# KiCad board cryboard.kicad_pcb (continued)
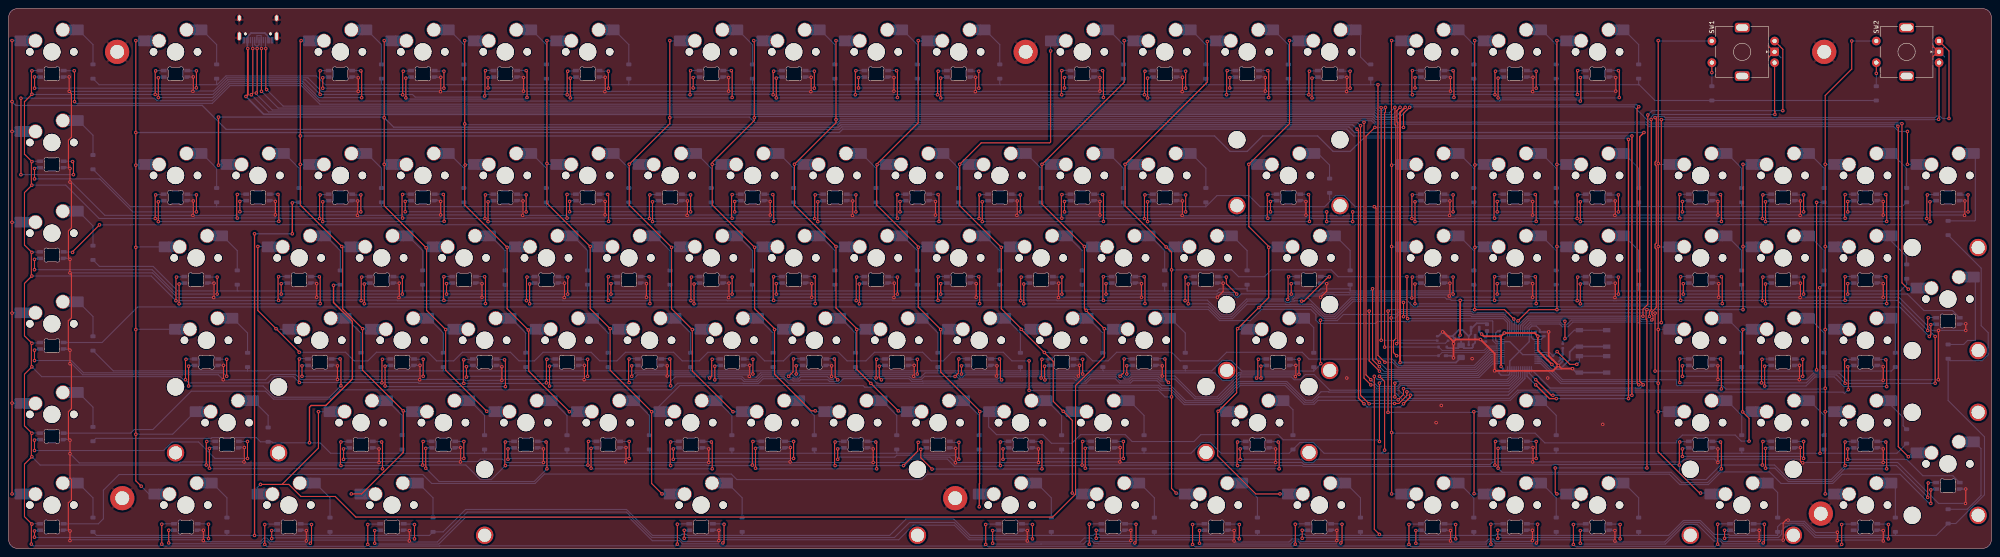
[diagram p0: board, top side]
## Routing (per net, layer and track width the routed paths; a pad name or vN(x,y) marks a point on that pad's centre or on a via; arc(x,y) is an arc through that point) (continued)
VBUS: length 363
  Top w0.4: 55.27,115.18 55.27,104.9 v1(54.83,104.47) ; v1(322.72,101.96) 321.53,100.77 v1(321.53,42.95)
  Bottom w0.4: F1.1 334.45,42.95 v1(321.53,42.95) ; v1(322.72,101.96) 320.47,99.7 316.11,99.7 315.45,100.36 58.94,100.36 v1(54.83,104.47) ; 60.06,118.28 59.2,119.13 56.02,119.13 55.16,118.28 ; 55.16,117.49 55.16,115.83
  vias: v1(55.27,115.56)
VCC: length 3376.8
  Top w0.25: 171.86,24.59 v1(171.86,19.26) ; 243.26,110.31 243.26,105.11 ; 405.06,43.59 v1(405.06,38.26) ; 405.26,24.59 v1(405.26,19.26) ; 200.46,43.59 v1(200.46,39.41) ; 45.66,24.59 v1(45.66,19.26) ; 119.66,62.59 v1(119.66,57.26) ; v1(225.79,5.51) v1(225.79,0.91) ; 324.26,62.59 v1(324.26,57.89) ; 424.26,62.66 424.26,57.46 ; 295.66,62.66 295.66,57.46 ; v1(82.99,5.51) v1(82.99,0.91) ; 281.46,110.31 281.46,105.11 ; v1(423.59,5.51) v1(423.59,0.91) ; v1(206.79,19.14) 206.79,19.19 210.06,22.46 210.06,24.39 ; v1(5.37,26.62) 3.66,28.33 3.66,40.25 v1(5.37,41.97) ; 238.66,43.59 238.66,39.47 v1(238.59,39.4) ; 148.06,81.59 v1(148.06,76.26) ; 110.06,81.59 v1(110.06,76.26) ; v1(33.99,110.39) 33.86,110.26 v1(33.86,104.94) ; 262.46,81.59 v1(262.46,76.26) ; 105.06,43.46 105.06,38.26 ; 91.06,110.19 v1(91.06,104.86) ; 128.91,81.69 128.91,76.49 ; 5.25,47.29 5.25,42.09 ; v1(218.71,39.74) 219.46,40.5 219.46,43.66 ; 100.46,62.66 100.46,57.46 ; 386.06,43.66 386.06,38.46 ; 343.26,81.66 343.26,76.46 ; 248.06,24.59 v1(248.06,19.26) ; 190.86,24.46 190.86,19.26 ; 143.26,43.66 143.26,38.46 ; 86.26,43.59 v1(86.26,38.26) ; 62.26,62.66 62.26,57.46 ; 76.66,24.46 76.66,19.26 ; 229.06,24.46 229.06,19.26 ; 405.26,81.59 v1(405.26,76.26) ; 110.06,110.31 110.06,104.65 v1(110,104.59) ; 38.66,62.59 v1(38.66,57.26) ; v1(35.39,5.59) v1(35.39,0.99) ; 386.06,24.46 v1(386.06,19.26) ; v1(443.46,50.39) 443.46,53.19 v1(443.59,53.31) ; 386.06,81.66 386.06,76.46 ; 81.46,62.59 v1(81.46,57.26) ; 157.46,110.31 157.46,105.11 ; 5.25,68.29 5.25,63.09 ; 40.86,43.59 v1(40.86,38.98) ; 5.25,26.49 5.25,21.29 ; v1(5.37,21.17) 3.66,19.45 3.66,7.33 v1(5.37,5.62) 5.25,5.49 v1(5.25,0.99) ; v1(297.32,5.57) v1(297.32,0.97) ; v1(5.37,89.42) 3.66,91.13 3.66,103.26 v1(5.39,104.99) 5.26,105.11 5.26,110.26 v1(5.39,110.39) ; 424.26,43.46 424.26,38.26 ; 424.26,81.66 424.26,76.46 ; 186.26,81.59 v1(186.26,76.26) ; v1(323.59,5.51) v1(323.59,0.91) ; v1(161.99,39.4) 162.46,39.87 162.46,43.59 ; v1(273.59,5.51) v1(273.59,0.91) ; 224.26,81.59 v1(224.26,76.26) ; 167.06,81.66 167.06,76.46 ; 443.46,14.99 v1(443.46,11.79) ; 362.46,110.31 362.46,105.11 ; 283.86,24.46 283.86,19.26 ; 129.06,110.19 v1(129.06,104.86) ; 257.66,43.66 257.66,40.6 v1(256.84,39.78) ; 362.46,62.59 v1(362.46,57.26) ; 343.46,24.59 v1(343.46,19.26) ; 52.71,81.69 52.71,76.49 ; 362.46,81.59 v1(362.46,76.26) ; 300.46,110.19 v1(300.46,104.86) ; 176.66,62.66 176.66,57.46 ; v1(5.37,62.97) 3.66,61.25 3.66,49.13 v1(5.37,47.42) ; v1(288.39,39.36) 288.66,39.64 288.66,43.59 ; 157.66,62.59 v1(157.66,57.26) ; 214.66,110.19 v1(214.66,104.86) ; 95.66,24.59 v1(95.66,19.26) ; 324.26,81.59 v1(324.26,76.26) ; v1(445.19,48.99) v1(445.19,38.19) ; 343.46,110.19 v1(343.46,104.86) ; v1(394.92,5.57) v1(394.92,0.97) ; 324.26,110.31 324.26,105.11 ; v1(342.52,5.57) v1(342.52,0.97) ; v1(154.52,5.57) v1(154.52,0.97) ; 5.25,89.29 5.25,84.09 ; 176.66,110.19 v1(176.66,104.86) ; v1(71.99,104.94) 71.86,105.06 71.86,110.26 v1(71.99,110.39) ; 290.86,81.66 290.86,76.46 ; 195.66,110.31 195.66,105.11 ; 443.26,81.59 v1(443.26,76.26) ; 271.86,62.59 v1(271.86,57.26) ; v1(5.37,68.42) 3.66,70.13 3.66,82.25 v1(5.37,83.97) ; 424.26,24.46 424.26,19.26 ; 243.26,81.66 243.26,76.46 ; 133.86,24.59 v1(133.86,19.26) ; v1(59.19,5.51) v1(59.19,0.91) ; 262.46,110.19 v1(262.46,104.86) ; 195.86,62.59 v1(195.86,57.26) ; 405.26,62.59 v1(405.26,57.26) ; 138.46,62.66 138.46,57.46 ; 90.91,81.69 90.91,76.49 ; v1(361.59,5.51) v1(361.59,0.91) ; 67.06,43.66 67.06,38.46 ; 114.66,24.46 114.66,19.26 ; 205.26,81.66 205.26,76.46 ; 214.66,62.66 214.66,57.46 ; 71.86,81.59 v1(71.86,76.26) ; v1(249.72,5.57) v1(249.72,0.97) ; 152.86,24.46 152.86,19.26 ; 181.26,43.66 181.26,40.79 v1(180.25,39.78) ; 33.86,81.59 v1(33.86,76.26) ; 233.86,62.59 v1(233.86,57.26) ; 124.26,43.59 v1(124.26,38.26) ; 252.86,62.66 252.86,57.46 ; 386.26,62.66 386.26,57.46 ; 343.26,62.66 343.26,57.46
  Top w0.4: v1(335.42,49.3) v1(335.42,57.34)
  Bottom w0.25: 164.44,43.78 162.66,43.78 ; 264.44,81.78 262.66,81.78 ; 173.84,24.78 172.06,24.78 ; 202.44,43.78 200.66,43.78 ; 361.68,5.61 364.42,5.61 ; 93.04,110.38 91.26,110.38 ; 154.62,5.67 157.35,5.67 ; 292.94,81.86 291.06,81.86 ; 273.84,62.78 272.06,62.78 ; 35.84,81.78 34.06,81.78 ; 197.74,110.51 195.86,110.51 ; 221.54,43.86 219.66,43.86 ; 326.34,110.51 324.46,110.51 ; 426.34,62.86 424.46,62.86 ; 245.34,81.86 243.46,81.86 ; LED3.1 72.06,110.46 v1(71.99,110.39) ; 407.24,24.78 405.46,24.78 ; 250.04,24.78 248.26,24.78 ; 445.44,15.18 443.66,15.18 ; LED2.1 34.06,110.46 v1(33.99,110.39) ; 285.94,24.66 284.06,24.66 ; 116.74,24.66 114.86,24.66 ; 407.24,81.78 405.46,81.78 ; 73.84,81.78 72.06,81.78 ; 112.04,81.78 110.26,81.78 ; 240.64,43.78 238.86,43.78 ; v1(443.46,11.79) 443.46,11.91 436.24,19.14 v1(424.39,19.14) 421.15,15.9 411.44,15.9 408.07,19.26 v1(405.26,19.26) 395.64,19.26 392.27,15.9 387.62,15.9 386.06,17.46 v1(386.06,19.26) 385.94,19.39 357.16,19.39 357.04,19.26 v1(343.46,19.26) 343.13,18.93 299.16,18.93 298.96,19.14 v1(283.99,19.14) 283.86,19.26 v1(248.06,19.26) 247.94,19.14 v1(229.19,19.14) 229.04,18.99 218.56,18.99 216.91,20.63 208.63,20.63 207.14,19.14 v1(206.79,19.14) v1(190.99,19.14) 190.86,19.26 v1(171.86,19.26) 171.74,19.14 161.44,19.14 161.31,19.26 134.29,19.26 134.16,19.14 v1(114.79,19.14) 111.55,15.9 109.02,15.9 105.65,19.26 v1(95.66,19.26) 95.54,19.14 v1(76.79,19.14) 76.66,19.26 v1(45.66,19.26) 7.28,19.26 v1(5.37,21.17) ; 169.14,81.86 167.26,81.86 ; 216.74,62.86 214.86,62.86 ; 92.99,81.89 91.11,81.89 ; 364.44,81.78 362.66,81.78 ; 426.34,81.86 424.46,81.86 ; 7.32,5.69 5.44,5.69 ; v1(35.39,5.59) 35.48,5.68 LED98.1 ; v1(288.39,39.36) 288.11,39.64 284.64,39.64 279.58,34.58 274.11,34.58 269.56,39.12 266.29,39.12 265.74,39.67 259.41,39.67 258.87,39.13 257.9,39.13 257.26,39.78 v1(256.84,39.78) 256.5,40.12 249.66,40.12 248.66,39.12 246.9,39.12 246.35,39.67 238.98,39.67 238.71,39.4 v1(238.59,39.4) 238.46,39.4 238.19,39.67 229.12,39.67 228.57,39.12 219.71,39.12 219.06,39.78 211.64,39.78 210.92,39.06 208.84,39.06 208.21,39.68 190.89,39.68 190.89,39.48 190.47,39.05 189.87,39.05 189.23,39.68 183.02,39.68 182.47,39.13 181.5,39.13 181.2,39.43 180.59,39.43 179.9,40.12 173.98,40.12 172.84,38.98 170.16,38.98 169.48,39.67 162.39,39.67 162.11,39.4 v1(161.99,39.4) 161.87,39.4 161.59,39.67 154.04,39.67 152.64,38.26 124.69,38.26 124.56,38.14 94.81,38.14 94.61,38.34 v1(67.19,38.34) 65.84,39.68 61.39,39.68 59.97,38.26 41.58,38.26 v1(40.86,38.98) 40.39,38.98 39.69,39.68 7.65,39.68 v1(5.37,41.97) ; 342.62,5.67 345.35,5.67 ; 7.32,89.49 5.44,89.49 ; 83.44,62.78 81.66,62.78 ; v1(5.39,104.99) 5.44,104.94 47.21,104.94 50.6,108.33 68.59,108.33 v1(71.99,104.94) 93.33,104.94 93.95,104.31 109.72,104.31 v1(110,104.59) 110.37,104.96 128.96,104.96 v1(129.06,104.86) v1(157.46,104.86) ; v1(386.19,38.34) 386.26,38.26 415.43,38.26 417.25,40.09 422.44,40.09 v1(424.39,38.14) 445.14,38.14 v1(445.19,38.19) ; 7.32,68.49 5.44,68.49 ; 326.24,62.78 324.46,62.78 ; 47.64,24.78 45.86,24.78 ; 102.54,62.86 100.66,62.86 ; 407.24,62.78 405.46,62.78 ; 345.34,81.86 343.46,81.86 ; 154.94,24.66 153.06,24.66 ; 395.02,5.67 397.75,5.67 ; 59.28,5.61 62.02,5.61 ; 150.04,81.78 148.26,81.78 ; 183.34,43.86 181.46,43.86 ; 83.08,5.61 85.82,5.61 ; 192.94,24.66 191.06,24.66 ; 97.64,24.78 95.86,24.78 ; v1(5.37,62.97) 32.96,62.97 v1(38.66,57.26) 71.41,57.26 71.54,57.39 89.76,57.39 89.89,57.26 109.61,57.26 109.74,57.39 127.96,57.39 128.09,57.26 147.61,57.26 147.74,57.39 165.96,57.39 166.09,57.26 185.81,57.26 185.94,57.39 204.16,57.39 204.29,57.26 223.81,57.26 223.94,57.39 242.16,57.39 242.29,57.26 262.01,57.26 262.14,57.39 276.99,57.39 280.37,54 282.43,54 286.07,57.64 295.49,57.64 v1(295.57,57.55) 295.64,57.61 296.87,57.61 297.15,57.89 300.29,57.89 304.17,54 306.24,54 310.28,58.03 331.91,58.03 332.34,57.61 333.09,57.61 333.36,57.34 v1(335.42,57.34) 370.81,57.34 370.89,57.26 371.49,57.26 371.56,57.34 413.61,57.34 413.69,57.26 424.31,57.26 v1(424.39,57.34) 436.51,57.34 v1(443.46,50.39) 443.81,50.39 v1(445.19,48.99) ; 88.24,43.78 86.46,43.78 ; 140.54,62.86 138.66,62.86 ; 231.14,24.66 229.26,24.66 ; 283.54,110.51 281.66,110.51 ; 40.64,62.78 38.86,62.78 ; 323.68,5.61 326.42,5.61 ; 426.34,43.66 424.46,43.66 ; 345.44,110.38 343.66,110.38 ; 297.74,62.86 295.86,62.86 ; 407.04,43.78 405.26,43.78 ; LED1.1 5.46,110.46 v1(5.39,110.39) ; 445.24,81.78 443.46,81.78 ; 388.14,81.86 386.26,81.86 ; 245.34,110.51 243.46,110.51 ; 178.64,110.38 176.86,110.38 ; 69.14,43.86 67.26,43.86 ; 388.14,43.86 386.26,43.86 ; 135.84,24.78 134.06,24.78 ; 364.44,62.78 362.66,62.78 ; 225.88,5.61 228.62,5.61 ; 226.24,81.78 224.46,81.78 ; 259.74,43.86 257.86,43.86 ; 345.34,62.86 343.46,62.86 ; 426.34,24.66 424.46,24.66 ; 235.84,62.78 234.06,62.78 ; 445.44,53.38 443.66,53.38 ; 302.44,110.38 300.66,110.38 ; 423.68,5.61 426.42,5.61 ; v1(5.25,0.99) 5.65,0.59 34.99,0.59 v1(35.39,0.99) 35.84,0.54 58.81,0.54 v1(59.19,0.91) 59.64,0.46 82.54,0.46 v1(82.99,0.91) 83.44,0.46 84.89,0.46 84.96,0.54 99.57,0.54 99.62,0.59 154.13,0.59 v1(154.52,0.97) 154.97,0.52 225.4,0.52 v1(225.79,0.91) 226.24,0.46 249.21,0.46 v1(249.72,0.97) 250.17,0.52 273.2,0.52 v1(273.59,0.91) 274.04,0.46 275.49,0.46 275.56,0.54 296.88,0.54 v1(297.32,0.97) 297.77,0.52 323.2,0.52 v1(323.59,0.91) 324.04,0.46 342.01,0.46 v1(342.52,0.97) 342.97,0.52 361.2,0.52 v1(361.59,0.91) 362.04,0.46 394.41,0.46 v1(394.92,0.97) 395.37,0.52 423.2,0.52 v1(423.59,0.91) ; 54.79,81.89 52.91,81.89 ; 345.44,24.78 343.66,24.78 ; 254.94,62.86 253.06,62.86 ; 126.24,43.78 124.46,43.78 ; 249.82,5.67 252.55,5.67 ; 388.34,62.86 386.46,62.86 ; 159.64,62.78 157.86,62.78 ; 212.04,24.58 210.26,24.58 ; 145.34,43.86 143.46,43.86 ; 364.54,110.51 362.66,110.51 ; 64.34,62.86 62.46,62.86 ; 297.42,5.67 300.15,5.67 ; 121.64,62.78 119.86,62.78 ; 130.99,81.89 129.11,81.89 ; 7.32,26.69 5.44,26.69 ; 273.68,5.61 276.42,5.61 ; 388.14,24.66 386.26,24.66 ; 216.64,110.38 214.86,110.38 ; 178.74,62.86 176.86,62.86 ; 197.84,62.78 196.06,62.78 ; 78.74,24.66 76.86,24.66 ; 264.44,110.38 262.66,110.38 ; 112.14,110.51 110.26,110.51 ; 290.64,43.78 288.86,43.78 ; 159.54,110.51 157.66,110.51 ; v1(362.54,104.94) 362.46,104.86 v1(343.46,104.86) 343.36,104.96 324.48,104.96 v1(324.39,104.86) 324.38,104.86 v1(300.46,104.86) 300.36,104.96 281.55,104.96 v1(281.45,104.86) 281.45,104.86 v1(262.46,104.86) 262.36,104.96 243.45,104.96 v1(243.35,104.86) 243.35,104.86 v1(214.66,104.86) 214.56,104.96 195.76,104.96 v1(195.66,104.86) v1(176.66,104.86) 176.54,104.99 157.59,104.99 ; v1(443.26,76.26) 443.21,76.31 414.34,76.31 414.29,76.26 396.11,76.26 396.04,76.34 371.64,76.34 371.56,76.26 353.31,76.26 353.24,76.34 334.26,76.34 334.19,76.26 301.18,76.26 301.1,76.34 271.56,76.34 271.49,76.26 253.51,76.26 253.44,76.34 233.44,76.34 233.36,76.26 215.51,76.26 215.44,76.34 195.36,76.34 195.29,76.26 177.11,76.26 177.04,76.34 157.16,76.34 157.09,76.26 139.11,76.26 139.01,76.37 119.56,76.37 119.45,76.26 101.06,76.26 100.96,76.37 80.97,76.37 80.86,76.26 62.86,76.26 62.76,76.37 42.97,76.37 42.86,76.26 v1(33.86,76.26) 20.9,76.26 13.2,83.97 v1(5.37,83.97) ; 326.24,81.78 324.46,81.78 ; 131.04,110.38 129.26,110.38 ; 107.14,43.66 105.26,43.66 ; 42.84,43.78 41.06,43.78 ; 207.34,81.86 205.46,81.86 ; 7.32,47.49 5.44,47.49 ; 188.24,81.78 186.46,81.78
  Bottom w0.4: U2.4 332.58,46.29 334.98,46.29 F1.2 ; U3.3 338.88,47.56 C9.1 338.36,46.52 338.13,46.29 336.28,46.29 F1.2 ; F1.2 335.63,48.02 C8.1 335.11,48.99 v1(335.42,49.3)
  vias: v1(33.99,81.71) v1(38.79,62.71) v1(40.99,43.71) v1(45.79,24.71) v1(52.84,81.82) v1(52.84,76.37) v1(62.39,62.79) v1(62.39,57.34) v1(67.19,43.79) v1(71.99,81.71) v1(76.79,24.59) v1(81.59,62.71) v1(86.39,43.71) v1(91.04,81.82) v1(91.04,76.37) v1(91.19,110.31) v1(95.79,24.71) v1(100.59,62.79) v1(100.59,57.34) v1(105.19,43.59) v1(105.19,38.14) v1(110.19,110.44) v1(110.19,81.71) v1(114.79,24.59) v1(119.79,62.71) v1(124.39,43.71) v1(129.04,81.82) v1(129.04,76.37) v1(129.19,110.31) v1(133.99,24.71) v1(138.59,62.79) v1(138.59,57.34) v1(143.39,43.79) v1(143.39,38.34) v1(148.19,81.71) v1(152.99,24.59) v1(152.99,19.14) v1(157.59,110.44) v1(157.79,62.71) v1(162.59,43.71) v1(167.19,81.79) v1(167.19,76.34) v1(171.99,24.71) v1(176.79,110.31) v1(176.79,62.79) v1(176.79,57.34) v1(181.39,43.79) v1(186.39,81.71) v1(190.99,24.59) v1(195.79,110.44) v1(195.99,62.71) v1(200.59,43.71) v1(205.39,81.79) v1(205.39,76.34) v1(210.19,24.51) v1(214.79,110.31) v1(214.79,62.79) v1(214.79,57.34) v1(219.59,43.79) v1(224.39,81.71) v1(229.19,24.59) v1(233.99,62.71) v1(238.79,43.71) v1(243.39,110.44) v1(243.39,81.79) v1(243.39,76.34) v1(248.19,24.71) v1(252.99,62.79) v1(252.99,57.34) v1(257.79,43.79) v1(262.59,110.31) v1(262.59,81.71) v1(271.99,62.71) v1(281.59,110.44) v1(283.99,24.59) v1(288.79,43.71) v1(290.99,81.79) v1(290.99,76.34) v1(295.79,62.79) v1(300.59,110.31) v1(324.39,110.44) v1(324.39,81.71) v1(324.39,62.71) v1(343.39,81.79) v1(343.39,76.34) v1(343.39,62.79) v1(343.39,57.34) v1(343.59,110.31) v1(343.59,24.71) v1(362.59,110.44) v1(362.59,81.71) v1(362.59,62.71) v1(386.19,81.79) v1(386.19,76.34) v1(386.19,43.79) v1(386.19,24.59) v1(386.39,62.79) v1(386.39,57.34) v1(405.19,43.71) v1(405.39,81.71) v1(405.39,62.71) v1(405.39,24.71) v1(424.39,81.79) v1(424.39,76.34) v1(424.39,62.79) v1(424.39,43.59) v1(424.39,24.59) v1(443.39,81.71) v1(443.59,15.11)
BOOT0: length 28
  Top w0.25: v1(359.63,48.51) v1(359.63,52.49)
  Bottom w0.25: BOOT1.2 BOOT1.2 361.78,50.44 359.85,48.51 v1(359.63,48.51) 359.63,48.29 359.13,47.79 R3.1 ; v1(359.63,52.49) 359.36,52.77 351.27,52.77 349.88,51.38 U1.44
COL00: length 583.5
  Top w0.25: v1(0.79,117.39) v1(0.79,96.39) v1(0.79,75.39) v1(0.79,54.39) v1(0.79,33.59) v1(0.79,12.59)
  Top w0.3: v1(377.89,96.13) 376.91,95.15 376.91,38.66 377.7,37.87 v1(377.7,37.81)
  Bottom w0.25: v1(0.79,117.39) 0.85,117.33 MX1.1 ; MX97.1 0.82,12.55 v1(0.79,12.59) ; MX79.1 0.87,33.51 v1(0.79,33.59) ; MX40.1 0.82,75.42 v1(0.79,75.39) ; MX18.1 0.8,96.37 v1(0.79,96.39) ; v1(0.79,54.39) 0.86,54.46 MX62.1
  Bottom w0.3: U1.13 356.2,37.06 377.01,37.06 377.7,37.75 v1(377.7,37.81) ; v1(377.89,96.13) 311.02,96.13 309.72,97.43 192.55,97.43 191.98,96.87 50.26,96.87 44.72,102.4 1.66,102.4 v1(0.79,103.28)
COL01: length 575.8
  Top w0.25: v1(29.39,117.39) v1(29.39,88.59) v1(29.39,69.59) v1(29.39,50.59) 29.39,15.61 v1(30.62,14.38)
  Top w0.3: v1(356.85,35.39) 356.48,35.39 v1(352.89,38.98) ; v1(375.11,35.39) v1(375.11,95.34)
  Bottom w0.25: MX98.1 32.45,12.55 v1(30.62,14.38) ; v1(29.39,69.59) 29.5,69.7 MX41.1 ; MX2.1 29.45,117.33 v1(29.39,117.39) ; v1(29.39,26.39) 37.89,26.39 MX80.1 ; v1(29.39,88.59) 29.55,88.75 31.2,88.75 ; MX63.1 29.45,50.65 v1(29.39,50.59)
  Bottom w0.3: U1.14 351.38,40.49 v1(352.89,38.98) ; v1(356.85,35.39) v1(375.11,35.39) ; v1(375.11,95.34) 310.82,95.34 309.23,96.93 192.75,96.93 191.96,96.13 v1(29.39,96.13)
COL02: length 532.2
  Top w0.25: v1(79.19,12.59) 81.59,12.59 86.66,17.66 86.69,17.66 91.19,22.16 v1(91.19,31.79) 81.79,41.19 v1(81.79,50.79) 77.19,55.39 77.19,69.59 v1(76.99,69.79) 67.39,79.39 v1(67.39,88.79) 67.39,117.19 v1(67.59,117.39)
  Top w0.3: v1(352.89,37.79) 356.06,34.62 v1(357.65,34.62) ; v1(374.32,94.55) v1(374.32,34.62)
  Bottom w0.25: v1(67.59,117.39) 67.65,117.33 MX3.1 ; 69.3,88.75 67.42,88.75 v1(67.39,88.79) ; MX82.1 91.37,31.6 v1(91.19,31.79) ; v1(79.19,12.59) 81.17,12.59 ; v1(81.79,50.79) 83.45,50.79 ; v1(76.99,69.79) 77.07,69.7 MX43.1
  Bottom w0.3: v1(374.32,34.62) v1(357.65,34.62) ; v1(374.32,94.55) 374.02,94.84 313.1,94.84 310.02,91.77 306.05,91.77 302.48,95.34 289.78,95.34 286.21,91.77 282.24,91.77 278.67,95.34 v1(67.39,95.34) ; U1.15 350.88,39.8 v1(352.89,37.79)
COL03: length 488
  Top w0.25: v1(110.49,31.69) 100.99,41.19 v1(100.99,50.59) 96.59,54.99 96.59,69.39 v1(96.49,69.49) 86.79,79.19 v1(86.79,88.79) v1(86.79,117.39)
  Top w0.3: v1(311.59,96.91) 311.93,96.58 311.93,34.7 v1(313.2,33.43) ; v1(48.48,99.7) v1(48.48,88.59) ; v1(322.33,33.43) 323.91,35.01 v1(323.91,35.41)
  Bottom w0.25: v1(86.79,88.79) 86.82,88.75 88.35,88.75 ; MX44.1 96.7,69.7 v1(96.49,69.49) ; MX66.1 101.05,50.65 v1(100.99,50.59) ; v1(86.79,117.39) 86.85,117.33 MX4.1 ; v1(110.49,31.69) 110.57,31.6 MX83.1
  Bottom w0.3: v1(48.48,99.7) 86.64,99.7 v1(86.79,99.56) 88.98,97.37 191.78,97.37 192.34,97.93 310.57,97.93 v1(311.59,96.91) ; 50.25,88.75 48.64,88.75 v1(48.48,88.59) ; U1.16 350.38,39.26 346.53,35.41 v1(323.91,35.41) ; v1(322.33,33.43) 321.58,32.68 313.95,32.68 v1(313.2,33.43)
COL04: length 418
  Top w0.25: v1(314.39,33.43) 312.4,35.41 v1(312.4,97.72) ; v1(320.27,33.5) 321.26,33.5 323.12,35.35 v1(323.12,36.18) ; v1(129.59,31.59) 120.19,40.99 120.19,50.39 v1(120.09,50.49) 115.19,55.39 v1(115.19,69.59) 105.39,79.39 v1(105.39,98.12) v1(105.39,117.39)
  Bottom w0.25: v1(320.27,33.5) 314.46,33.5 v1(314.39,33.43) ; MX5.1 105.45,117.33 v1(105.39,117.39) ; v1(105.39,98.12) 105.57,97.94 191.67,97.94 192.14,98.41 311.72,98.41 v1(312.4,97.72) ; MX84.1 129.6,31.6 v1(129.59,31.59) ; MX45.1 115.3,69.7 v1(115.19,69.59) ; v1(323.12,36.18) 346.63,36.18 349.88,39.43 U1.17 ; 107.4,88.75 105.63,88.75 v1(105.5,88.62) ; MX67.1 120.25,50.65 v1(120.09,50.49)
COL05: length 339.8
  Top w0.25: v1(150.99,12.59) 148.59,14.99 v1(148.59,31.59) 138.99,41.19 v1(138.99,50.79) 134.39,55.39 v1(134.39,69.79) 124.39,79.79 v1(124.39,88.99) v1(124.39,117.39) ; v1(321.09,34.35) 322.33,35.59 v1(322.33,36.91)
  Bottom w0.25: v1(321.09,34.35) 320.96,34.22 302.56,34.22 301.66,33.32 299.33,33.32 294.97,37.69 284.59,37.69 280.14,33.23 271.64,33.23 268.32,36.55 266.31,36.55 265.6,37.26 197.85,37.26 197.47,37.63 155.08,37.63 150.26,32.81 MX85.1 148.6,31.6 v1(148.59,31.59) ; v1(138.99,50.79) 139.12,50.65 MX68.1 ; v1(134.39,69.79) 134.47,69.7 MX46.1 ; v1(150.99,12.59) 151.02,12.55 MX101.1 ; v1(124.39,88.99) 124.62,88.75 126.45,88.75 ; v1(124.39,117.39) 124.45,117.33 MX6.1 ; U1.18 349.38,39.57 346.72,36.91 v1(322.33,36.91)
COL06: length 505.8
  Top w0.25: v1(438.79,88.79) v1(438.79,96.39) ; v1(313.2,98.51) 313.2,39.38 v1(314.79,37.79) ; v1(152.79,117.39) v1(152.79,99.56) 152.79,98.19 v1(143.41,88.81) 143.41,79.36 v1(153.19,69.59) 153.19,55.39 v1(157.99,50.59) 157.99,40.99 v1(167.39,31.59)
  Bottom w0.25: v1(314.79,37.79) 315.34,37.79 316.12,37.01 321.1,37.01 321.72,37.63 346.81,37.63 348.88,39.7 U1.19 ; v1(438.79,88.79) 438.82,88.75 440.78,88.75 ; v1(438.79,96.39) 436.76,96.39 435.66,97.49 378.94,97.49 378.36,98.06 315.74,98.06 314.94,98.86 313.6,98.86 313.25,98.51 v1(313.2,98.51) 313.15,98.51 312.8,98.86 191.96,98.86 191.49,98.39 172.46,98.39 171.14,99.7 152.93,99.7 v1(152.79,99.56) ; v1(152.79,117.39) 152.85,117.33 MX7.1 ; MX47.1 153.3,69.7 v1(153.19,69.59) ; MX69.1 158.05,50.65 v1(157.99,50.59) ; v1(167.39,31.59) 169.3,31.59 ; v1(143.41,88.81) 145.44,88.81
COL07: length 527.1
  Top w0.25: v1(438.98,59.91) 437.51,61.38 v1(437.51,98.19) ; v1(314.79,38.98) 313.66,40.1 313.66,95.28 v1(315.71,97.32) ; v1(323.75,101.96) 323.02,101.24 323,101.24 322.33,100.57 v1(322.33,97.32) ; v1(186.39,31.79) 185.46,31.79 176.99,40.26 v1(176.99,50.59) 176.99,50.79 172.39,55.39 v1(172.39,69.59) 162.59,79.39 v1(162.59,88.79) 162.59,89.19 172.31,98.91 v1(172.31,99.56) 172.31,117.26 v1(172.19,117.39)
  Bottom w0.25: v1(315.71,97.32) v1(322.33,97.32) ; v1(186.39,31.79) 186.57,31.6 MX87.1 ; v1(176.99,50.59) 177.05,50.65 MX70.1 ; v1(172.39,69.59) 172.5,69.7 MX48.1 ; v1(314.79,38.98) 316.3,37.46 320.91,37.46 321.53,38.08 346.62,38.08 348.38,39.84 U1.20 ; MX8.1 172.25,117.33 v1(172.19,117.39) ; v1(438.98,59.91) 439.24,60.18 MX61.1 ; v1(437.51,98.19) 437.31,98.39 379.31,98.39 375.61,102.09 323.87,102.09 v1(323.75,101.96) 320.97,99.18 315.89,99.18 315.24,99.84 172.58,99.84 v1(172.31,99.56) ; 164.55,88.75 162.62,88.75 v1(162.59,88.79)
COL08: length 594.2
  Top w0.25: v1(205.59,31.79) v1(199.24,38.13) 195.99,41.39 v1(195.99,50.59) 195.99,50.79 191.19,55.59 v1(191.19,69.79) 181.59,79.39 v1(181.59,88.79) 191.19,98.39 v1(191.19,117.39) ; v1(436.59,97.59) 436.66,97.51 436.66,23.51 v1(439,21.17) ; v1(320.34,38.19) v1(320.34,35.01)
  Bottom w0.25: v1(181.59,88.79) 181.62,88.75 183.6,88.75 ; v1(436.59,97.59) 436.24,97.94 379.12,97.94 378.55,98.51 315.92,98.51 315.13,99.31 191.38,99.31 v1(191.19,99.11) ; v1(320.34,38.19) 320.69,38.53 346.43,38.53 347.88,39.98 U1.21 ; v1(195.99,50.59) 196.05,50.65 MX71.1 ; v1(191.19,117.39) 191.25,117.33 MX9.1 ; v1(320.34,35.01) 302.72,35.01 301.48,33.77 299.52,33.77 295.15,38.14 284.41,38.14 279.95,33.68 271.83,33.68 268.51,37 266.5,37 265.79,37.71 199.66,37.71 v1(199.24,38.13) ; MX88.1 205.77,31.6 v1(205.59,31.79) ; v1(191.19,69.79) 191.27,69.7 MX49.1 ; 439.9,22.08 v1(439,21.17)
COL09: length 278.6
  Top w0.25: v1(210.19,117.39) 210.19,98.39 200.59,88.79 200.59,79.39 210.19,69.79 210.19,55.79 v1(215.39,50.59) 215.39,40.79 224.39,31.79 224.39,14.99 224.3,14.9 v1(224.3,9.61) ; v1(316.77,38.19) v1(316.77,24.7)
  Bottom w0.25: MX72.1 215.45,50.65 v1(215.39,50.59) ; 202.65,88.75 200.75,88.75 v1(200.68,88.68) ; MX102.1 224.3,12.33 v1(224.3,9.61) ; MX50.1 210.3,69.7 v1(210.22,69.62) ; MX10.1 210.25,117.33 v1(210.19,117.39) ; U1.22 347.38,40.11 346.25,38.98 317.64,38.98 317.26,38.6 317.18,38.6 v1(316.77,38.19) ; v1(224.41,31.61) 224.43,31.6 MX89.1 226.46,28.09 228.27,26.28 238.98,26.28 240.97,24.3 245.73,24.3 247.71,26.28 258.03,26.28 259.62,24.7 273.91,24.7 275.5,26.28 293.35,26.28 294.55,25.09 316.37,25.09 v1(316.77,24.7)
COL10: length 254.9
  Top w0.25: v1(240.79,114.99) 240.79,93.97 240.57,93.75 224.75,93.75 v1(219.79,88.79) 219.79,79.19 v1(229.39,69.59) 229.39,55.39 233.99,50.79 v1(233.99,50.63) v1(239.33,45.28) 241.39,43.23 241.39,33.99 v1(243.69,31.69) 245.79,29.59 v1(245.79,12.79)
  Bottom w0.25: MX51.1 229.5,69.7 v1(229.39,69.59) ; 221.7,88.75 219.82,88.75 v1(219.79,88.79) ; v1(239.33,45.28) 248.56,45.28 250.49,43.35 254.06,43.35 256.05,45.33 268.75,45.33 270.73,43.35 279.46,43.35 281.45,45.33 298.91,45.33 300.5,43.75 319.71,43.75 321.23,42.23 338.65,42.23 342.21,45.79 U1.31 ; v1(233.99,50.63) 234.01,50.65 MX73.1 ; MX90.1 243.77,31.6 v1(243.69,31.69) ; v1(245.79,12.79) 246.02,12.55 MX103.1 ; v1(240.79,114.99) 240.75,115.02 MX11.1
COL11: length 453.5
  Top w0.25: 63.18,14.79 71.59,23.19 v1(71.59,31.59) ; 63.18,14.79 64.74,14.79 67.53,12 75.47,12 80.23,7.23 241.26,7.23 246.54,12.52 246.54,37.64 253.19,44.28 v1(253.19,50.79) 248.59,55.39 v1(248.59,69.79) 238.79,79.59 v1(238.79,88.79) 257.79,107.79 v1(257.79,117.39) ; 63.18,14.79 v1(58.19,14.79)
  Bottom w0.25: v1(71.59,31.59) 74.05,31.59 ; v1(248.59,69.79) 248.67,69.7 MX52.1 ; 240.75,88.75 238.82,88.75 v1(238.79,88.79) ; U1.34 343.71,47.29 342.96,48.03 342.96,52.48 342.85,52.59 323.77,52.59 323.57,52.39 322.97,52.39 322.88,52.48 316.37,52.48 315.91,52.01 302.84,52.01 302.09,52.76 302.09,54.06 300.9,55.25 289.53,55.25 286.93,52.65 279.82,52.65 277.21,55.25 249.22,55.25 v1(249.01,55.04) ; MX99.1 57.39,13.99 v1(58.19,14.79) ; MX74.1 253.32,50.65 v1(253.19,50.79) ; 259.8,117.33 257.85,117.33 v1(257.79,117.39)
COL12: length 473.3
  Top w0.25: v1(67.14,45.33) 67.24,45.33 v1(61.79,50.79) 57.59,54.99 v1(57.59,69.79) ; v1(323.12,62.8) 323.12,53.26 v1(323.27,53.11) ; v1(269.79,12.79) 268.73,13.84 v1(268.73,35.01) v1(268.73,64.38) 268.73,68.44 v1(267.49,69.69) 257.99,79.19 v1(257.99,88.79) 276.99,107.79 v1(276.99,117.19) ; v1(235.81,43.35) v1(235.81,36.53)
  Bottom w0.25: v1(267.49,69.69) 267.5,69.7 MX53.1 ; MX64.1 61.92,50.65 v1(61.79,50.79) ; v1(276.99,117.19) 277.13,117.33 MX13.1 ; v1(269.79,12.79) 270.02,12.55 MX104.1 ; v1(57.59,69.79) 59.69,69.79 ; v1(235.81,36.53) 265.69,36.53 267.21,35.01 v1(268.73,35.01) ; v1(323.27,53.11) 345.44,53.11 346.38,52.17 U1.37 ; v1(268.73,64.38) 282.64,64.38 284.23,62.8 290.18,62.8 291.77,64.38 305.63,64.38 307.22,62.8 v1(323.12,62.8) ; 259.8,88.75 258.02,88.75 v1(257.99,88.79) ; v1(67.14,45.33) 77.85,45.33 79.84,43.35 83.01,43.35 85,45.33 96.9,45.33 98.89,43.35 102.85,43.35 104.84,45.33 115.95,45.33 117.94,43.35 121.51,43.35 123.49,45.33 134.6,45.33 136.59,43.35 140.56,43.35 142.54,45.33 153.65,45.33 155.64,43.35 159.61,43.35 161.59,45.33 172.7,45.33 174.69,43.35 179.05,43.35 181.04,45.33 191.75,45.33 193.74,43.35 198.1,43.35 200.09,45.33 211.2,45.33 213.19,43.35 215.96,43.35 217.95,45.33 229.85,45.33 231.84,43.35 v1(235.81,43.35)